# KiCad board cqa02303v5rpi.kicad_pcb (continued)
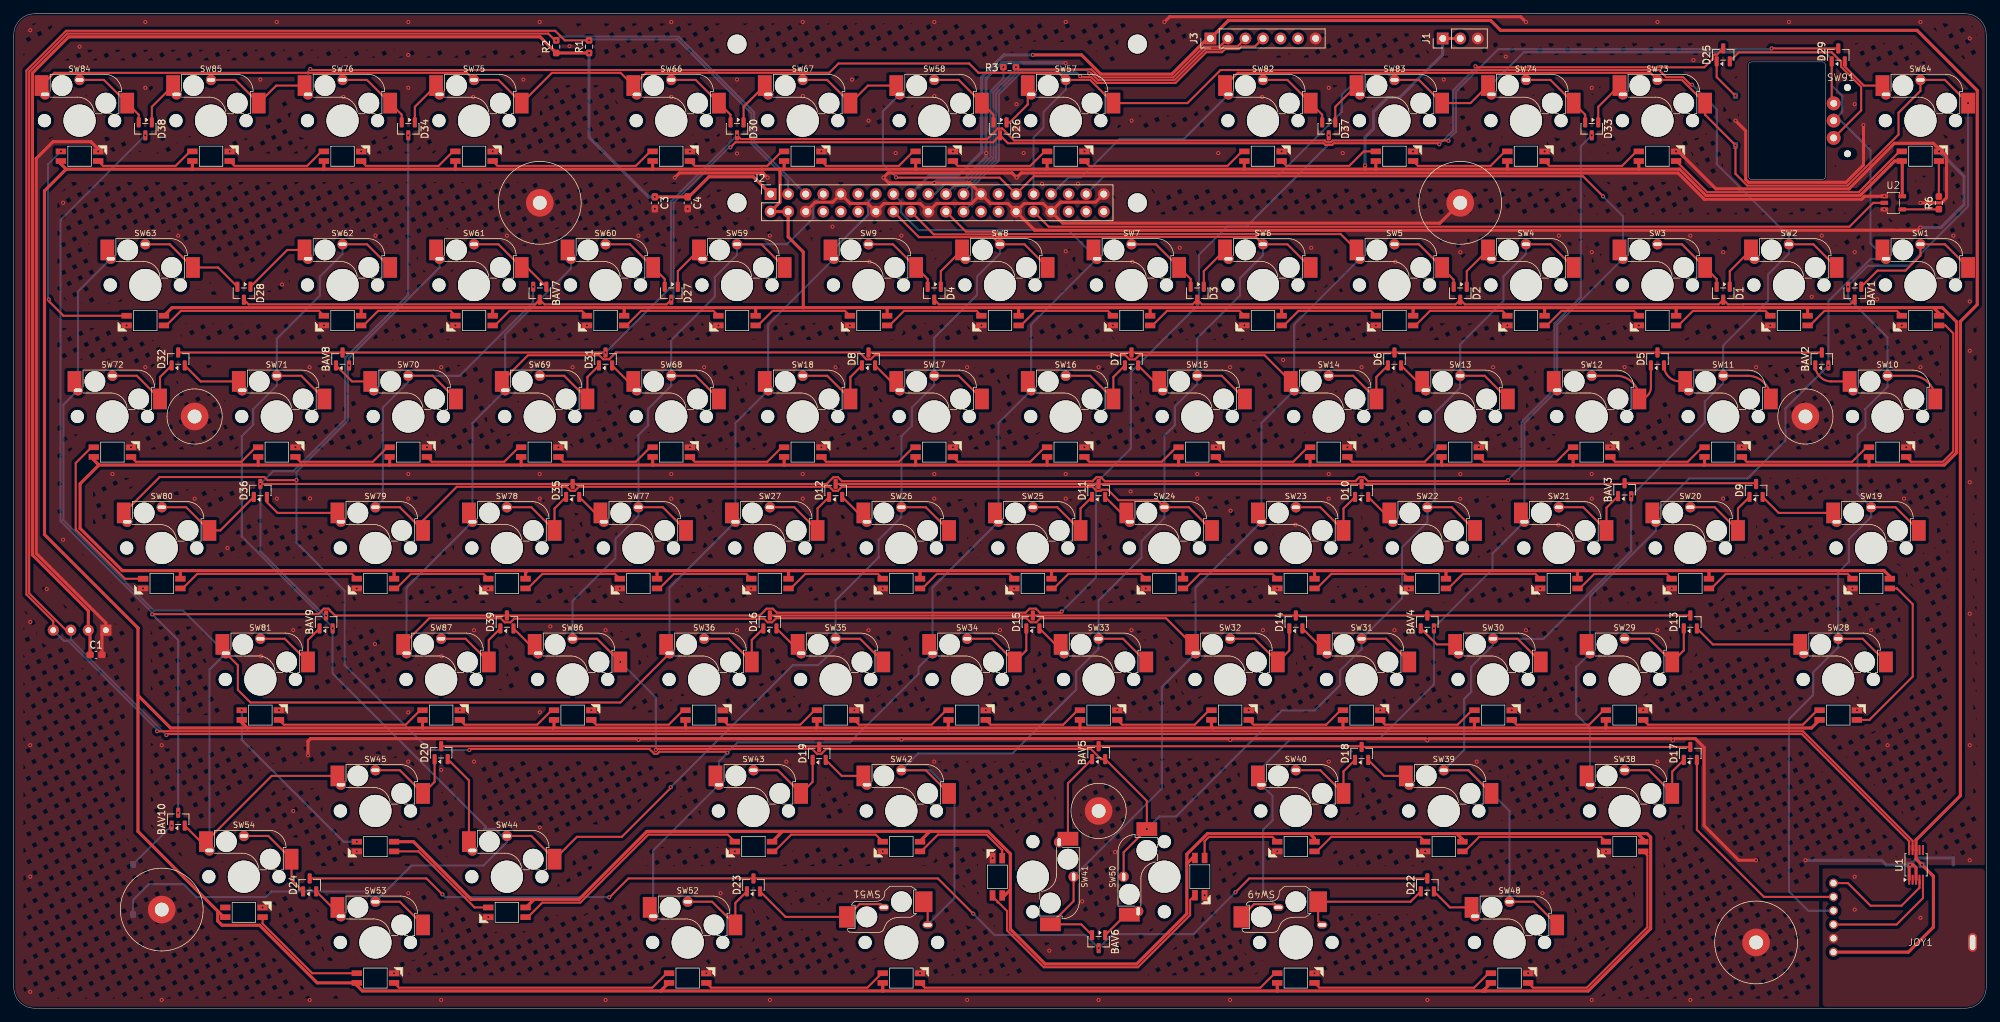
[diagram p0: board, top side]
## Routing (per net, layer and track width the routed paths; a pad name or vN(x,y) marks a point on that pad's centre or on a via; arc(x,y) is an arc through that point) (continued)
ROW8: length 271.7
  Top w0.3: v1(207.85,125.67) 207.8,125.71 191.06,125.71 190.82,125.47 190.18,125.47 189.94,125.71 144.93,125.71 143.19,127.45 142.56,127.45 141.02,125.91 105.32,125.91 v1(104.78,126.46) ; v1(85.72,95) BAV8.3 D32.3 ; v1(254.66,139.05) D29.3
  Bottom w0.3: v1(254.66,139.05) 254.54,138.93 215.06,138.93 208.93,132.8 208.93,126.98 207.85,125.9 v1(207.85,125.67) ; v1(85.72,95) 95.2,104.47 95.2,116.88 v1(104.78,126.46)
ROW9: length 321.7
  Top w0.3: v1(216.48,76.5) 216.33,76.35 196.18,76.35 195.59,76.93 194.94,76.93 194.37,76.37 193.19,76.37 193.17,76.35 158.07,76.35 157.48,76.93 156.84,76.93 156.26,76.35 119.98,76.35 119.39,76.93 118.74,76.93 117.76,75.95 D35.3 v1(35.72,75.95)
  Bottom w0.3: v1(216.48,76.5) 216.48,76.57 218.44,78.52 218.44,84.93 222.61,89.1 222.6,89.11 222.6,89.94 223.19,90.52 223.2,90.52 223.2,99.22 227.03,103.04 227.03,124.88 v1(228.6,126.46) ; v1(45.24,56.9) 45.03,56.9 35.72,66.21 v1(35.72,75.95) 37.56,77.79 40.49,77.79 48.02,85.32 48.02,94.22 57.15,103.35 v1(57.15,126.46)
ROW10: length 330.7
  Top w0.3: v1(151.82,57.47) 151.65,57.3 148.67,57.3 148.08,57.88 147.17,57.88 146.58,57.3 110.54,57.3 109.96,57.88 109.07,57.88 108.08,56.9 D39.3 46.52,56.9 45.79,57.62 45.79,57.65 45.56,57.88 44.92,57.88 44.13,57.09 20.07,57.09 v1(20.05,57.07)
  Bottom w0.3: v1(23.81,28.32) 23.81,53.31 v1(20.05,57.07) 20.05,57.29 6.78,70.56 6.78,114.19 v1(19.05,126.46) ; v1(151.82,57.47) 156.77,62.42 156.77,76.03 161.82,81.09 161.82,92.14 171.7,102.02 171.7,109.16 175.79,113.25 178.59,113.25 190.5,125.16 v1(190.5,126.46)
SCL: length 492.4
  Top w0.3: OLED1.3 7.56,54.77 2.23,60.11 2.23,135.69 7.74,141.2 77.42,141.2 78.41,140.22 v1(78.58,140.22) ; U1.10 274.59,24.17 259.04,39.72 22.25,39.72 v1(22.1,39.57)
  Bottom w0.3: J2.5 107.28,125.4 107.28,129.79 96.3,140.77 79.13,140.77 v1(78.58,140.22) ; OLED1.3 8.26,53.41 v1(22.1,39.57)
SDA: length 492.6
  Top w0.3: v1(20.76,40.13) 20.77,40.12 259.21,40.12 275.09,24.24 U1.9 ; v1(83.34,140.22) 79.83,140.22 78.44,141.6 7.57,141.6 1.82,135.85 1.82,59.94 5.71,56.05 OLED1.4
  Bottom w0.3: J2.3 112.19,119.93 106.88,125.23 106.88,129.62 96.13,140.37 83.49,140.37 v1(83.34,140.22) ; v1(20.76,40.13) 20.76,40.34 7.85,53.25 7.24,53.25 OLED1.4
SPIO_CS0: length 62
  Top w0.3: J3.4 179.81,139.33 177.84,139.33 177.46,138.96 175.49,138.96 175.04,138.51 172.76,138.51 168.3,134.05 156.94,134.05 156.11,134.89 154.63,134.89 v1(154.48,135.04)
  Bottom w0.3: v1(154.48,135.04) 153.97,135.55 146.11,135.55 146.09,135.53 145.86,135.53 142.72,132.39 142.72,122.83 142.52,122.63 138.81,118.92 138.81,116.64 J2.24
SPIO_RX: length 57.2
  Top w0.3: J3.2 174.71,139.31 172.43,139.31 167.97,134.85 157.28,134.85 156.12,136 145.51,136 v1(145.18,136.33)
  Bottom w0.3: J2.21 136.23,119.14 137.9,119.14 141.92,123.16 141.92,132.72 145.18,135.98 v1(145.18,136.33)
SPIO_SCK: length 57.2
  Top w0.3: J3.3 177.3,139.36 175.32,139.36 174.87,138.91 172.59,138.91 168.13,134.45 157.11,134.45 156.12,135.44 v1(155.8,135.44)
  Bottom w0.3: v1(155.8,135.44) 155.8,135.5 155.35,135.95 145.94,135.95 145.92,135.93 145.69,135.93 142.32,132.55 142.32,123 137.59,118.26 J2.23
SPIO_TX: length 25
  Bottom w0.3: v1(143.36,136.33) 143.36,134.72 141.52,132.89 141.52,123.33 137.73,119.54 135.02,119.54 133.43,117.95 J2.19
Net-(BAV1-K-Pad1): length 20.4
  Top w0.3: BAV1.1 270,106.87 274.07,106.87 276.22,109.03 SW1.1 279.76,110.67 SW1.1
Net-(BAV2-K-Pad1): length 6.3
  Top w0.3: SW10.2 263.3,90.8 arc(261.67,91.48) BAV2.1
Net-(BAV3-K-Pad1): length 14
  Top w0.3: SW21.1 227.38,72.57 SW21.1 230.74,72.51 BAV3.1
Net-(BAV4-K-Pad1): length 5.9
  Top w0.3: SW30.2 206.15,52.7 BAV4.1
Net-(BAV5-K-Pad1): length 13
  Top w0.3: BAV5.1 152.72,32.59 SW41.2
Net-(BAV6-K-Pad1): length 4.2
  Top w0.3: BAV6.1 161.09,13.55
Net-(BAV7-K-Pad1): length 13
  Top w0.3: BAV7.1 74.36,107.31 SW61.1 70.22,110.67 SW61.1
Net-(BAV8-K-Pad1): length 5.9
  Top w0.3: SW70.2 48.99,90.8 BAV8.1
Net-(BAV9-K-Pad1): length 13.8
  Top w0.3: SW81.1 39.26,53.53 SW81.1 42.62,53.35 BAV9.1
Net-(BAV10-K-Pad1): length 7.9
  Bottom w0.3: 17.27,20.86 v1(22.86,26.45)
Net-(D1-A-Pad1): length 6.6
  Top w0.3: D1.1 248.6,106.78 SW2.2
Net-(D1-A-Pad2): length 11.8
  Top w0.3: SW3.1 241.66,110.67 SW3.1 246.7,105.64 D1.2
Net-(D2-A-Pad1): length 6.6
  Top w0.3: SW4.2 210.5,106.78 D2.1
Net-(D2-A-Pad2): length 11.8
  Top w0.3: SW5.1 203.57,110.67 SW5.1 206.92,107.21 208.6,105.53 D2.2
Net-(D3-A-Pad1): length 6.6
  Top w0.3: SW6.2 172.4,106.78 D3.1
Net-(D3-A-Pad2): length 11.8
  Top w0.3: SW7.1 165.47,110.67 SW7.1 170.5,105.64 D3.2
Net-(D4-A-Pad1): length 6.6
  Top w0.3: SW8.2 134.3,106.78 D4.1
Net-(D4-A-Pad2): length 11.8
  Top w0.3: D4.2 132.4,105.64 SW9.1 127.37,110.67 SW9.1
Net-(D5-A-Pad1): length 14.6
  Top w0.3: SW12.1 232.14,91.62 arc(234.52,90.64) SW12.1 arc(236.68,88.76) 237.17,89.94 D5.1
Net-(D5-A-Pad2): length 3.6
  Top w0.3: 241.39,90.8 arc(239.75,91.48) D5.2
Net-(D6-A-Pad1): length 13.8
  Top w0.3: SW14.1 194.04,91.62 SW14.1 197.4,91.45 D6.1
Net-(D6-A-Pad2): length 3.3
  Top w0.3: 203.29,90.8 D6.2
Net-(D7-A-Pad1): length 13.8
  Top w0.3: D7.1 159.3,91.45 SW16.1 155.94,91.62 SW16.1
Net-(D7-A-Pad2): length 3.3
  Top w0.3: D7.2 165.19,90.8
Net-(D8-A-Pad1): length 13.8
  Top w0.3: D8.1 121.2,91.45 SW18.1 117.84,91.62 SW18.1
Net-(D8-A-Pad2): length 3.3
  Top w0.3: D8.2 127.09,90.8
Net-(D9-A-Pad1): length 13.8
  Top w0.3: SW20.1 246.43,72.57 SW20.1 249.79,72.4 D9.1
Net-(D9-A-Pad2): length 11.2
  Top w0.3: SW19.2 255.68,71.75 D9.2
Net-(D10-A-Pad1): length 13.8
  Top w0.3: D10.1 192.64,72.4 SW23.1 189.28,72.57 SW23.1
Net-(D10-A-Pad2): length 3.3
  Top w0.3: 198.53,71.75 D10.2
Net-(D11-A-Pad1): length 13.8
  Top w0.3: D11.1 154.54,72.4 SW25.1 151.18,72.57 SW25.1
Net-(D11-A-Pad2): length 3.3
  Top w0.3: 160.43,71.75 D11.2
Net-(D12-A-Pad1): length 13.8
  Top w0.3: SW27.1 113.08,72.57 SW27.1 116.44,72.4 D12.1
Net-(D12-A-Pad2): length 3.3
  Top w0.3: 122.33,71.75 D12.2
Net-(D13-A-Pad1): length 13.8
  Top w0.3: D13.1 241.94,51.84 SW29.1 236.9,53.53 SW29.1
Net-(D13-A-Pad2): length 15.9
  Top w0.3: SW28.2 246.15,52.7 D13.2
Net-(D14-A-Pad1): length 13.8
  Top w0.3: D14.1 184.79,51.84 SW32.1 179.75,53.53 SW32.1
Net-(D14-A-Pad2): length 3.3
  Top w0.3: 189,52.7 D14.2
Net-(D15-A-Pad1): length 13.8
  Top w0.3: SW34.1 141.65,53.53 SW34.1 146.69,51.84 D15.1
Net-(D15-A-Pad2): length 3.3
  Top w0.3: 150.9,52.7 D15.2
Net-(D16-A-Pad1): length 13.8
  Top w0.3: SW36.1 103.55,53.53 SW36.1 106.91,53.35 D16.1
Net-(D16-A-Pad2): length 3.3
  Top w0.3: 112.8,52.7 D16.2
Net-(D17-A-Pad1): length 13.8
  Top w0.3: D17.1 240.26,34.3 SW38.1 236.9,34.47 SW38.1
Net-(D18-A-Pad1): length 13.8
  Top w0.3: D18.1 192.64,34.3 SW40.1 189.28,34.47 SW40.1
Net-(D18-A-Pad2): length 6.4
  Top w0.3: D18.2 198.53,33.66 SW39.2
Net-(D19-A-Pad1): length 13.8
  Top w0.3: D19.1 115.73,32.79 SW43.1 110.7,34.47 SW43.1
Net-(D19-A-Pad2): length 6.4
  Top w0.3: SW42.2 119.95,33.66 D19.2
Net-(D20-A-Pad1): length 14
  Top w0.3: SW45.1 55.93,34.47 SW45.1 60.96,32.79 D20.1
Net-(D20-A-Pad2): length 13.2
  Top w0.3: SW44.2 65.94,33.01 D20.2
Net-(D22-A-Pad1): length 19.1
  Top w0.3: SW49.2 188.96,12.65 SW49.2 202.34,15.42 D22.1
Net-(D22-A-Pad2): length 6.4
  Top w0.3: D22.2 208.05,14.6 SW48.2
Net-(D23-A-Pad1): length 13.8
  Top w0.3: D23.1 104.53,15.25 SW52.1 101.17,15.42 SW52.1
Net-(D23-A-Pad2): length 20.4
  Top w0.3: D23.2 111.8,13.22 SW51.1 122.54,15.07 125.58,15.07 SW51.1
Net-(D24-A-Pad1): length 13.7
  Top w0.3: SW54.1 36.88,24.95 SW54.1 40.24,18.6 D24.1
Net-(D24-A-Pad2): length 3.3
  Top w0.3: D24.2 46.13,14.6
Net-(D26-A-Pad1): length 6.9
  Top w0.3: SW57.2 146.9,130.94 144.3,128.33 D26.1
Net-(D26-A-Pad2): length 11.8
  Top w0.3: SW58.1 136.89,134.49 SW58.1 141.93,129.45 D26.2
Net-(D27-A-Pad1): length 6.6
  Top w0.3: D27.1 96.2,106.78 SW59.2
Net-(D27-A-Pad2): length 11.8
  Top w0.3: SW60.1 89.27,110.67 SW60.1 94.3,105.64 D27.2
Net-(D28-A-Pad1): length 10
  Top w0.3: D28.1 39.62,109.85 SW62.2
Net-(D28-A-Pad2): length 15.9
  Top w0.3: SW63.1 22.59,110.67 SW63.1 29.59,107.31 D28.2
Net-(D29-A-Pad2): length 7.3
  Top w0.3: D29.2 265.27,136.43 268.03,133.67 SW64.2
Net-(D30-A-Pad1): length 6.6
  Top w0.3: D30.1 105.72,130.59 SW67.2
Net-(D30-A-Pad2): length 11.8
  Top w0.3: SW66.1 98.79,134.49 SW66.1 103.83,129.45 D30.2
Net-(D31-A-Pad1): length 13.8
  Top w0.3: D31.1 83.1,91.45 SW69.1 79.74,91.62 SW69.1
Net-(D31-A-Pad2): length 3.3
  Top w0.3: 88.99,90.8 D31.2
Net-(D32-A-Pad1): length 13.8
  Top w0.3: D32.1 21.19,91.45 SW72.1 17.83,91.62 SW72.1
Net-(D32-A-Pad2): length 8.8
  Top w0.3: D32.2 27.08,90.8 SW71.2
Net-(D33-A-Pad1): length 6.6
  Top w0.3: D33.1 229.55,130.59 SW73.2
Net-(D33-A-Pad2): length 11.8
  Top w0.3: SW74.1 222.61,134.49 SW74.1 227.65,129.45 D33.2
Net-(D34-A-Pad1): length 6.6
  Top w0.3: SW75.2 58.1,130.59 D34.1
Net-(D34-A-Pad2): length 11.8
  Top w0.3: D34.2 56.2,129.45 SW76.1 51.16,134.49 SW76.1
Net-(D35-A-Pad1): length 13.8
  Top w0.3: D35.1 78.34,72.4 SW78.1 74.98,72.57 SW78.1
Net-(D35-A-Pad2): length 3.3
  Top w0.3: D35.2 84.23,71.75
Net-(D36-A-Pad1): length 16.7
  Top w0.3: SW80.1 24.97,72.57 SW80.1 29.91,69.22 D36.1
Net-(D36-A-Pad2): length 11.6
  Top w0.3: D36.2 36.67,73.3 38.21,71.75 SW79.2
Net-(D37-A-Pad1): length 6.6
  Top w0.3: D37.1 191.45,130.59 SW83.2
Net-(D37-A-Pad2): length 11.8
  Top w0.3: SW82.1 184.52,134.49 SW82.1 189.55,129.45 D37.2
Net-(D38-A-Pad1): length 6.6
  Top w0.3: D38.1 20,130.59 SW85.2
Net-(D38-A-Pad2): length 11.8
  Top w0.3: D38.2 18.1,129.45 SW84.1 13.07,134.49 SW84.1
Net-(D39-A-Pad1): length 13.8
  Top w0.3: D39.1 68.81,53.35 SW87.1 65.45,53.53 SW87.1
Net-(D39-A-Pad2): length 3.3
  Top w0.3: D39.2 74.7,52.7
Net-(LED1-DOUT): length 37
  Top w0.3: LED2.4 245.33,118.23 267.29,118.23 273.19,124.13 LED1.2
Net-(LED2-DOUT): length 14.8
  Top w0.3: LED3.4 222.47,122.03 232.99,122.03 235.09,124.13 LED2.2
Net-(LED3-DOUT): length 14.8
  Top w0.3: LED3.2 216.04,124.13 213.94,122.03 203.42,122.03 LED4.4
Net-(LED4-DOUT): length 14.8
  Top w0.3: LED4.2 195.57,124.13 193.47,122.03 184.38,122.03 LED5.4
Net-(LED5-DOUT): length 24.3
  Top w0.3: LED5.2 177.94,124.13 175.84,122.03 155.8,122.03 LED6.4
Net-(LED6-DOUT): length 14.8
  Top w0.3: LED7.4 136.75,122.03 147.26,122.03 149.36,124.13 LED6.2
Net-(LED7-DOUT): length 14.8
  Top w0.3: LED8.4 117.7,122.03 128.21,122.03 130.31,124.13 LED7.2
Net-(LED8-DOUT): length 14.8
  Top w0.3: LED8.2 111.26,124.13 109.16,122.03 98.65,122.03 LED9.4
Net-(LED10-DIN): length 24.3
  Top w0.3: LED9.2 92.21,124.13 90.11,122.03 70.08,122.03 LED10.4
Net-(LED10-DOUT): length 14.8
  Top w0.3: LED10.2 63.64,124.13 61.54,122.03 51.02,122.03 LED11.4
Net-(LED11-DOUT): length 14.8
  Top w0.3: LED12.4 31.98,122.03 42.49,122.03 44.59,124.13 LED11.2
Net-(LED12-DOUT): length 14.8
  Top w0.3: LED13.4 12.93,122.03 23.44,122.03 25.54,124.13 LED12.2
Net-(LED13-DOUT): length 34.7
  Top w0.3: v1(5.07,102.68) 5.07,102.44 7.2,100.32 LED16.4
  Bottom w0.3: v1(5.07,102.68) 4.95,102.8 4.95,122.26 v1(6.82,124.13)
Net-(LED16-DOUT): length 24.3
  Top w0.3: LED16.2 22.09,98.92 24.19,101.02 44.23,101.02 LED17.4
Net-(LED17-DOUT): length 14.8
  Top w0.3: LED17.2 50.66,98.92 52.76,101.02 63.27,101.02 LED18.4
Net-(LED18-DOUT): length 14.8
  Top w0.3: LED18.2 69.71,98.92 71.81,101.02 82.33,101.02 LED19.4
Net-(LED19-DOUT): length 14.8
  Top w0.3: LED20.4 101.38,101.02 90.86,101.02 88.76,98.92 LED19.2
Net-(LED20-DOUT): length 14.8
  Top w0.3: LED20.2 107.81,98.92 109.91,101.02 120.43,101.02 LED21.4
Net-(LED21-DOUT): length 14.8
  Top w0.3: LED21.2 126.86,98.92 128.96,101.02 139.47,101.02 LED22.4
Net-(LED22-DOUT): length 14.8
  Top w0.3: LED23.4 158.53,101.02 148.01,101.02 145.91,98.92 LED22.2
Net-(LED23-DOUT): length 14.8
  Top w0.3: LED23.2 164.96,98.92 167.06,101.02 177.58,101.02 LED24.4
Net-(LED24-DOUT): length 14.8
  Top w0.3: LED24.2 184.01,98.92 186.11,101.02 196.63,101.02 LED25.4
Net-(LED25-DOUT): length 14.8
  Top w0.3: LED26.4 215.67,101.02 205.16,101.02 203.06,98.92 LED25.2
Net-(LED26-DOUT): length 14.8
  Top w0.3: LED27.4 234.72,101.02 224.21,101.02 222.11,98.92 LED26.2
Net-(LED27-DOUT): length 14.8
  Top w0.3: LED28.4 253.78,101.02 243.26,101.02 241.16,98.92 LED27.2
Net-(LED28-DOUT): length 14.8
  Top w0.3: LED28.2 260.21,98.92 262.31,101.02 272.82,101.02 LED29.4
Net-(LED29-DOUT): length 27.4
  Top w0.3: LED31.4 274.86,79.17 279.47,79.17 280.98,80.68 280.98,97.77 279.83,98.92 LED29.2
Net-(LED31-DOUT): length 19.6
  Top w0.3: LED32.4 251.05,79.17 266.32,79.17 268.42,81.27 LED31.2
Net-(LED32-DOUT): length 14.8
  Top w0.3: LED33.4 232,79.17 242.51,79.17 244.61,81.27 LED32.2
Net-(LED33-DOUT): length 14.8
  Top w0.3: LED34.4 212.95,79.17 223.46,79.17 225.56,81.27 LED33.2
Net-(LED34-DOUT): length 14.8
  Top w0.3: LED35.4 193.9,79.17 204.41,79.17 206.51,81.27 LED34.2
Net-(LED35-DOUT): length 14.8
  Top w0.3: LED35.2 187.46,81.27 185.36,79.17 174.85,79.17 LED36.4
Net-(LED36-DOUT): length 14.8
  Top w0.3: LED36.2 168.41,81.27 166.31,79.17 155.8,79.17 LED37.4
Net-(LED37-DOUT): length 14.8
  Top w0.3: LED37.2 149.36,81.27 147.26,79.17 136.75,79.17 LED38.4
Net-(LED38-DOUT): length 14.8
  Top w0.3: LED39.4 117.7,79.17 128.21,79.17 130.31,81.27 LED38.2
Net-(LED39-DOUT): length 14.8
  Top w0.3: LED39.2 111.26,81.27 109.16,79.17 98.65,79.17 LED40.4
Net-(LED40-DOUT): length 14.8
  Top w0.3: LED41.4 79.6,79.17 90.11,79.17 92.21,81.27 LED40.2
Net-(LED41-DOUT): length 14.8
  Top w0.3: LED41.2 73.16,81.27 71.06,79.17 60.55,79.17 LED42.4
Net-(LED42-DOUT): length 14.8
  Top w0.3: LED43.4 41.5,79.17 52.01,79.17 54.11,81.27 LED42.2
Net-(LED43-DOUT): length 19.6
  Top w0.3: LED43.2 35.06,81.27 32.96,79.17 17.69,79.17 LED44.4
Net-(LED44-DOUT): length 25.9
  Top w0.3: LED44.2 11.25,81.27 8.97,78.98 8.97,69.35 16.1,62.22 LED46.4
Net-(LED46-DOUT): length 26.7
  Top w0.3: LED46.2 24.47,60.82 26.57,62.92 48.99,62.92 LED47.4
Net-(LED47-DOUT): length 14.8
  Top w0.3: LED48.4 68.04,62.92 57.52,62.92 55.43,60.82 LED47.2
Net-(LED48-DOUT): length 14.8
  Top w0.3: LED48.2 74.47,60.82 76.58,62.92 87.09,62.92 LED49.4
Net-(LED49-DOUT): length 14.8
  Top w0.3: LED50.4 106.14,62.92 95.62,62.92 93.53,60.82 LED49.2
Net-(LED50-DOUT): length 14.8
  Top w0.3: LED50.2 112.58,60.82 114.68,62.92 125.19,62.92 LED51.4
Net-(LED51-DOUT): length 14.8
  Top w0.3: LED51.2 131.62,60.82 133.72,62.92 144.24,62.92 LED52.4
Net-(LED52-DOUT): length 14.8
  Top w0.3: LED52.2 150.68,60.82 152.78,62.92 163.29,62.92 LED53.4
Net-(LED53-DOUT): length 14.8
  Top w0.3: LED53.2 169.72,60.82 171.83,62.92 182.34,62.92 LED54.4
Net-(LED54-DOUT): length 14.8
  Top w0.3: LED54.2 188.78,60.82 190.88,62.92 201.39,62.92 LED55.4
Net-(LED55-DOUT): length 14.8
  Top w0.3: LED55.2 207.83,60.82 209.92,62.92 220.44,62.92 LED56.4
Net-(LED56-DOUT): length 14.8
  Top w0.3: LED57.4 239.49,62.92 228.97,62.92 226.88,60.82 LED56.2
Net-(LED57-DOUT): length 22
  Top w0.3: LED58.4 265.68,62.92 248.03,62.92 245.92,60.82 LED57.2
Net-(LED58-DOUT): length 25.5
  Top w0.3: LED61.4 268.83,41.77 275.11,48.04 275.11,58.53 272.82,60.82 LED58.2
Net-(LED61-DOUT): length 26.7
  Top w0.3: LED61.2 261.28,43.17 259.18,41.07 236.76,41.07 LED62.4
Net-(LED62-DOUT): length 14.8
  Top w0.3: LED62.2 230.33,43.17 228.22,41.07 217.71,41.07 LED63.4
Net-(LED63-DOUT): length 14.8
  Top w0.3: LED63.2 211.28,43.17 209.17,41.07 198.66,41.07 LED64.4
Net-(LED64-DOUT): length 14.8
  Top w0.3: LED65.4 179.61,41.07 190.12,41.07 192.22,43.17 LED64.2
Net-(LED65-DOUT): length 14.8
  Top w0.3: LED66.4 160.56,41.07 171.08,41.07 173.18,43.17 LED65.2
Net-(LED66-DOUT): length 14.8
  Top w0.3: LED66.2 154.12,43.17 152.03,41.07 141.51,41.07 LED67.4
Net-(LED67-DOUT): length 14.8
  Top w0.3: LED68.4 122.46,41.07 132.97,41.07 135.08,43.17 LED67.2
Net-(LED68-DOUT): length 14.8
  Top w0.3: LED69.4 103.41,41.07 113.93,41.07 116.03,43.17 LED68.2
Net-(LED69-DOUT): length 14.8
  Top w0.3: LED69.2 96.97,43.17 94.88,41.07 84.36,41.07 LED70.4
Net-(LED70-DOUT): length 14.8
  Top w0.3: LED71.4 65.31,41.07 75.83,41.07 77.93,43.17 LED70.2
Net-(LED71-DOUT): length 22
  Top w0.3: LED71.2 58.87,43.17 56.77,41.07 39.12,41.07 LED72.4
Net-(LED72-DOUT): length 27.1
  Bottom w0.3: v1(33.02,43.17) 33.02,38.88 47.78,24.12 v1(49.69,24.12)
Net-(LED76-DOUT): length 17
  Top w0.3: LED77.4 66.76,14.59 58.64,22.72 LED76.2
Net-(LED77-DOUT): length 35.7
  Top w0.3: LED78.4 103.43,25.14 91.92,25.14 82.07,15.29 76.58,15.29 74.47,13.19 LED77.2
Net-(LED78-DOUT): length 17.5
  Top w0.3: LED79.4 124.87,25.14 112.62,25.14 110.19,22.72 LED78.2
Net-(LED79-DOUT): length 15
  Top w0.3: LED80.4 143.19,22.88 140.93,25.14 133.88,25.14 131.46,22.72 LED79.2
Net-(LED80-DOUT): length 41
  Top w0.3: LED81.4 170.42,15.67 170.42,13.49 162.86,5.93 149.23,5.93 143.89,11.26 143.89,14.08 142.64,15.34 142.53,15.34 142.53,15.44 141.79,16.18 LED80.2
Net-(LED81-DOUT): length 13.5
  Top w0.3: LED82.4 182.34,24.82 173.13,24.82 172.52,24.21 LED81.2
Net-(LED82-DOUT): length 17.2
  Top w0.3: LED83.4 203.77,24.82 190.88,24.82 188.78,22.72 LED82.2
Net-(LED83-DOUT): length 22
  Top w0.3: LED83.2 210.21,22.72 212.31,24.82 229.96,24.82 LED84.4
Net-(LED84-DOUT): length 32.4
  Top w0.3: LED84.2 236.66,22.12 236.66,11.73 227.9,2.97 220.09,2.97 LED85.4
Net-(LED85-DOUT): length 26.7
  Top w0.3: LED86.4 189.14,2.97 211.56,2.97 213.66,5.07 LED85.2
Net-(LED86-DOUT): length 52.9
  Top w0.3: LED86.2 182.7,5.07 180.6,2.97 131.99,2.97 LED87.4
Net-(LED87-DOUT): length 26.7
  Top w0.3: 100.33,3.67 101.03,2.97 123.66,2.97 125.76,5.07 LED87.2
Net-(LED88-DOUT): length 41
  Top w0.3: LED88.2 94.59,5.07 92.49,2.97 55.79,2.97 LED89.4
Net-(LED89-DOUT): length 17.6
  Top w0.3: LED90.4 36.04,12.26 43.23,5.07 LED89.2
Net-(R6-Pad1): length 5.3
  Top w0.3: R6.1 278.85,115.73 U2.4

## Copper pours and planes (outline as drawn; the poured copper is in the pictures)
GND on Top, Bottom: 288.13,20.74 288.13,150.34 -2.39,150.34 -2.32,-6.45 261.56,-6.34 261.54,20.74
GNDA on Top, Bottom: 288.13,20.74 261.56,20.74 261.57,-6.34 288.13,-6.34

## Text on the board
B.Silkscreen: GND         SPIO  +3V3 | GND   +5V | hfk/cqa02303v5
User.Comments: stick | wheel | OLED | 1u | 1.5u | 2u | 2.25u | 1.75u | 1.25u | |-- 60% --> | |     OLED    | | <-- Cursor --| | |    BS    | | |   ENTER   | | |   SPACE   | | |   CONTROL   | | <-- 60% --| | |<-- 16 | |<-- 15 | |<-- 14 | |<-- 13 | |<-- 12
